# Altium PCB 2-quilter-output.PcbDoc (part 2 of 26)
Units mil, origin at the board's own origin, x right, y up, seen from the top; angles counter-clockwise.
Board outline 4130.55 x 4250 mil, 8 copper layers (L1, Ground L2, L3, Power L4, Ground L5, L6, Ground L7, L8), stack 62.985 mil thick; 591 components, 494 nets, 2245 pads, 1508 vias.
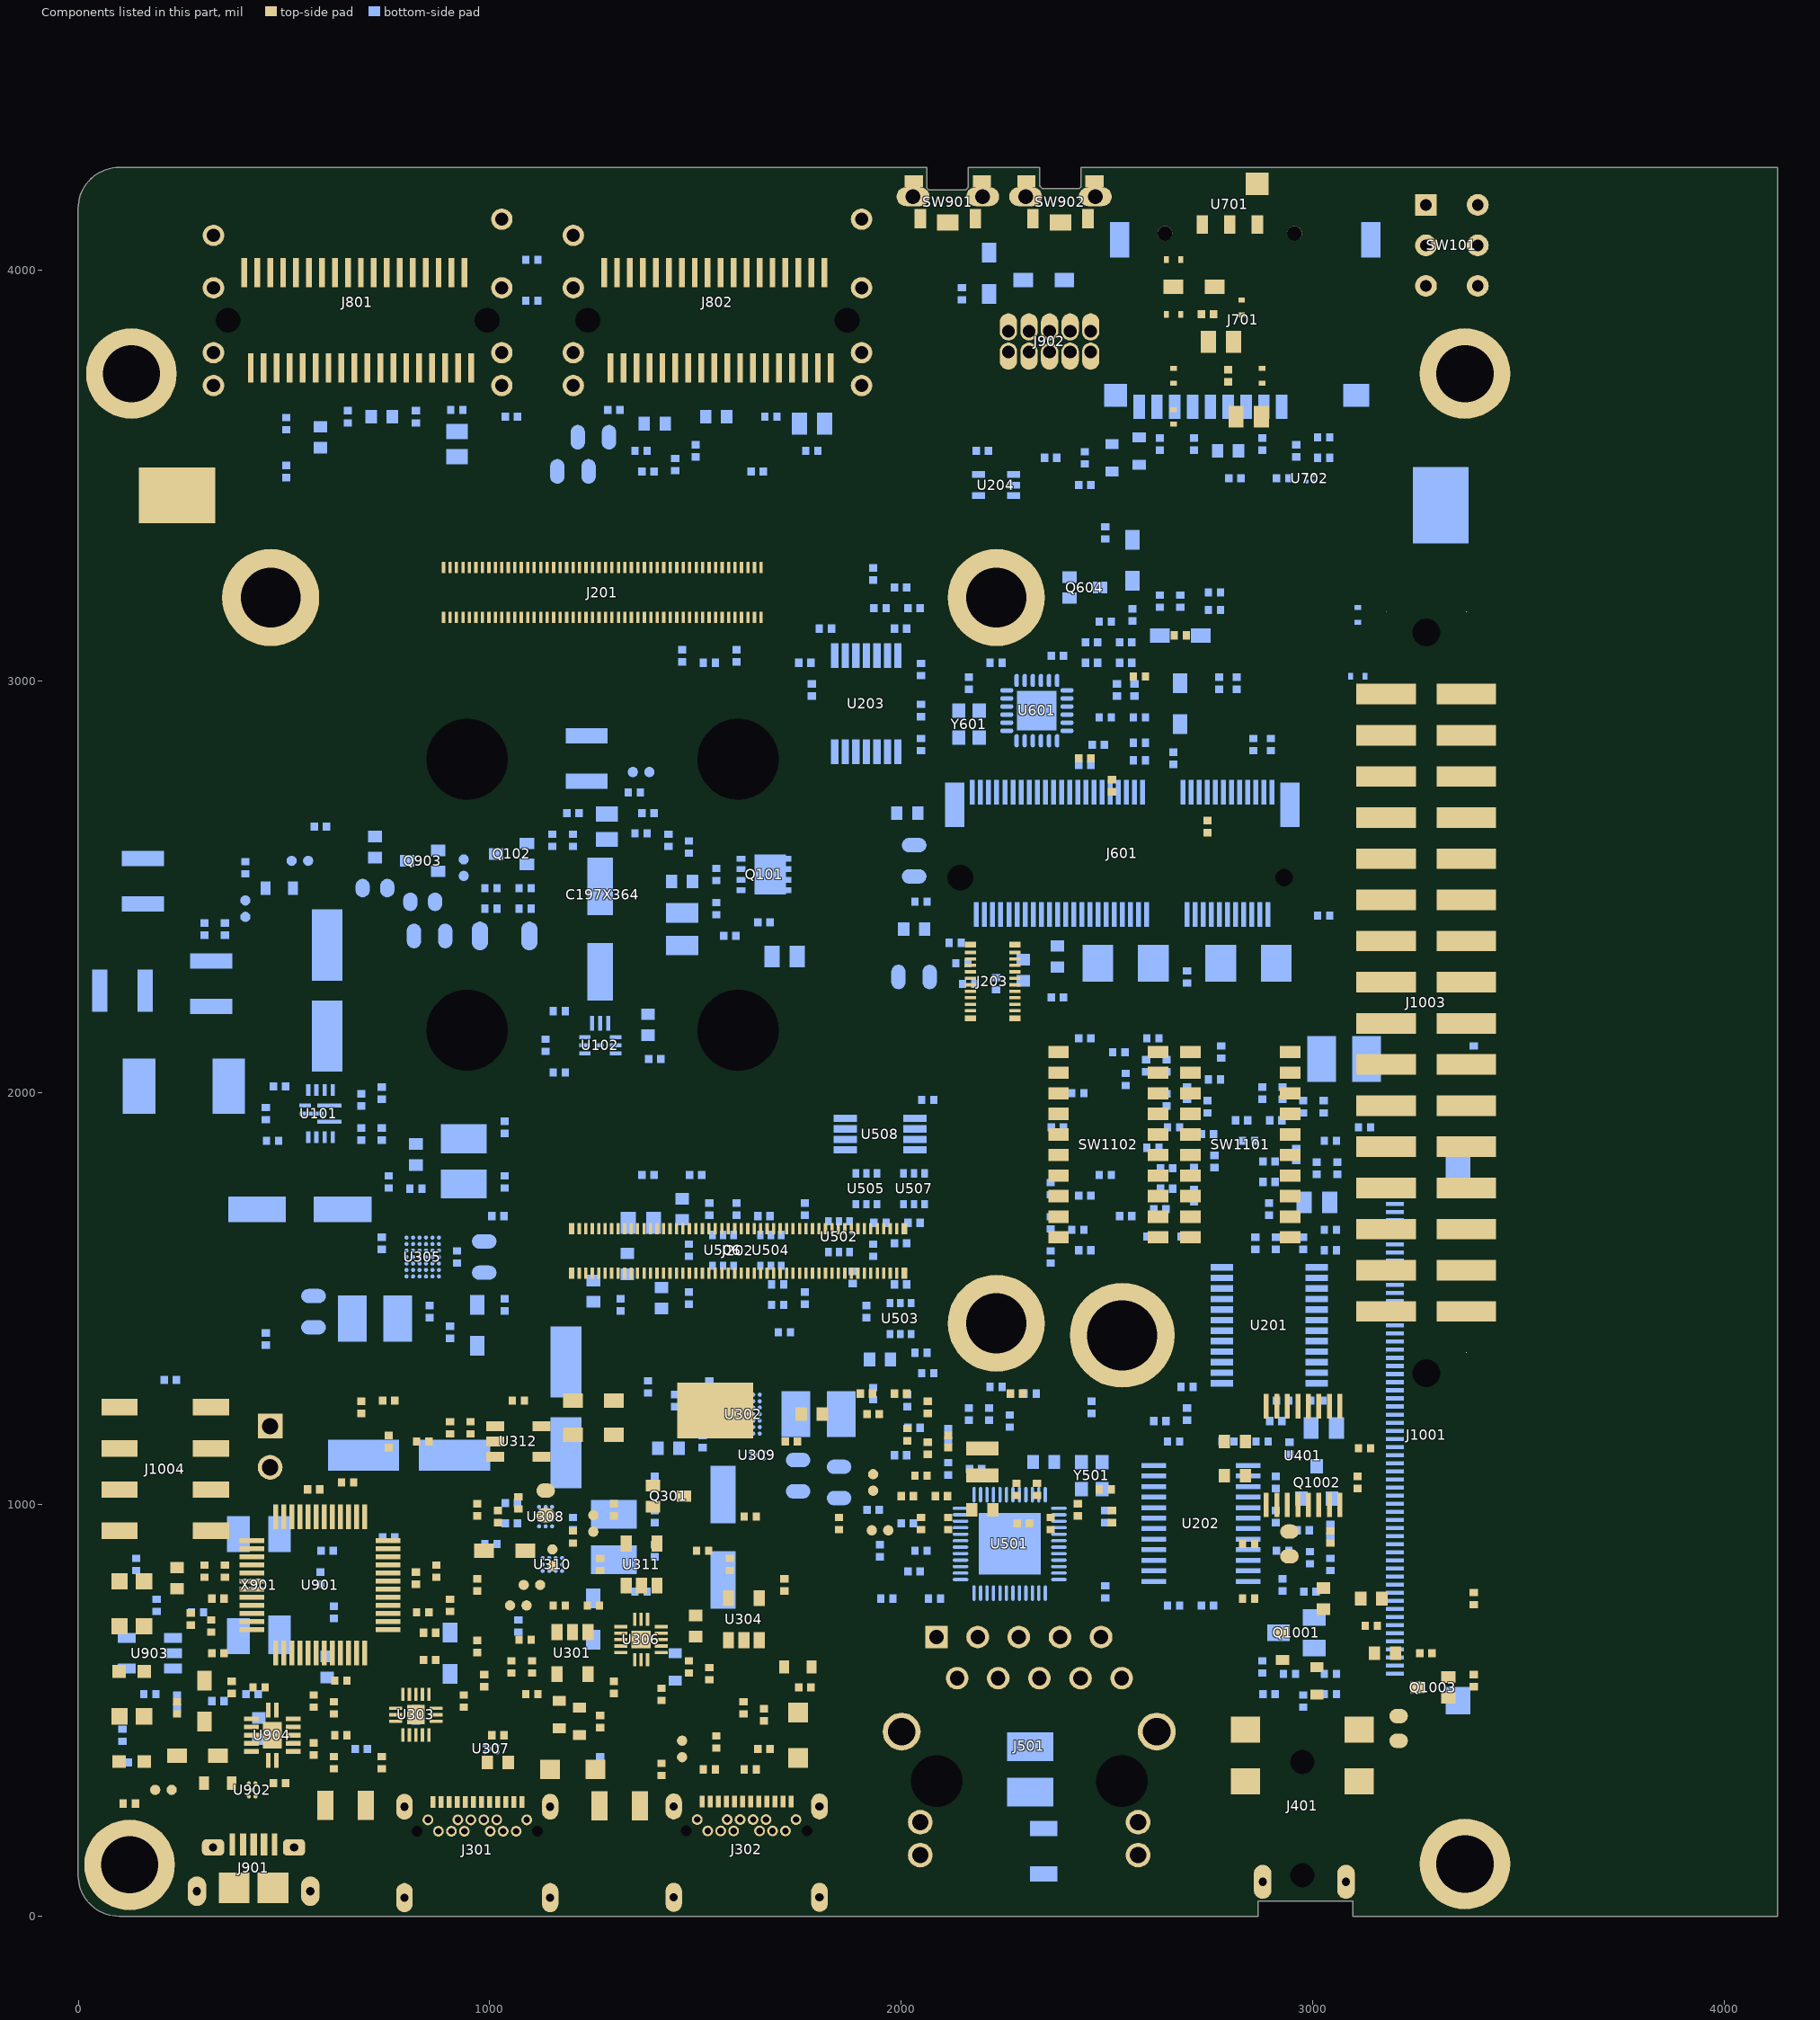
[diagram p8: the components of this part, seen from the top]

## Components (designator, comment, footprint, x,y, rotation, side; value= is the part's Value field where it differs from the comment) (continued)
U702 "ADP191ACBZ-R7" WLCSP4_0P4_0P8X0P8_SMDP 2993.86,3493.42 r0 bottom
U901 "FT2232D" LQFP48 587.9,803.84 r90 top
U902 "PCMF1USB3S" WLCSP5_0P4_0P82X1P22 422.64,305.92 r180 top
U903 "RT9193" SOT23-5 173.81,637.95 r270 bottom
U904 "NTB0104BQ" DHVQFN14_3X2P5MM 471.62,438.73 r90 top
X901 "6MHz" XTAL_4_7P2X5P2 439.23,803.82 r270 bottom
Y501 "25MHz" XTLOSC4_2P5X2MM_SM 2463.43,1069.58 r90 bottom
Y601 "25MHz" XTLOSC4_2P5X2MM_SM 2164.84,2895.75 r90 bottom

## Footprints (in the part's own frame and the unit in brackets; to place one, negate y for a bottom-side part, rotate by r counter-clockwise, add the part's x,y. Pads: shape width x height; smd on the part's side, far side on the other; paste and mask are expansions set on the pad)
0402_CC#1 [mil] "0402_CC"
  rect 18x20 smd: 1(-14.76,0) 2(14.76,0)
  L8 keep-out region: -5.75,10 -5.75,-10 5.75,-10 5.75,10
  L8 keep-out region: -5.75,10 -5.75,-10 5.75,-10 5.75,10
  silkscreen extent -21,-18 21,18, body extent -20,-10 20,10, height 16
0402_CC#2 [mil] "0402_CC"
  rect 18x20 smd: 1(-14.76,0) 2(14.76,0)
  L1 keep-out region: -5.75,10 -5.75,-10 5.75,-10 5.75,10
  L1 keep-out region: -5.75,10 -5.75,-10 5.75,-10 5.75,10
  silkscreen extent -21,-18 21,18, body extent -20,-10 20,10, height 16
0603_CC [mil] "0603_CC"
  rect 28x33 smd: 1(-25.59,0) 2(25.59,0)
  silkscreen extent -40,-25 40,25, body extent -31,-16 31,16, height 22
0805_CC [mil] "0805_CC"
  rect 37x53 smd: 1(-30.71,0) 2(30.71,0)
  silkscreen extent -50,-36 50,36, body extent -39,-24 39,24, height 20
1206_CC [mil] "1206_CC"
  rect 37x67 smd: 1(-55.12,0) 2(55.12,0)
  silkscreen extent -74,-42 74,42, body extent -61,-30 61,30, height 28
1210_CC [mil] "1210_CC"
  rect 37x102 smd: 1(-55.12,0) 2(55.12,0)
  silkscreen extent -74,-60 74,60, body extent -63,-49 63,49, height 24
C197X364 [mil] "C197X364"
  round 0 hole 197 slot 364 at 0 deg unplated: ""(-465.6,-465.6) ""(465.6,-465.6)
  round 0 hole 197 slot 364 at 90 deg unplated: ""(0,-931.2) ""(0,0)
CASE_D_AL [mil] "CASE_D_AL"
  rect 140x62 smd: 1(-104,0) 2(104,0)
  silkscreen extent -141,-141 141,141, body extent -138,-130 138,130, height 213
CC0603_OV [mil] "CC0603_OV"
  oval 35x45 smd: 1(-30,0) 2(30,0)
  L1 keep-out region: -10,20 10,20 10,-20 -10,-20
  silkscreen extent -5,-25 5,25, body extent -31,-16 31,16, height 22
CC1210 [mil] "CC1210"
  rect 70x112 smd: 1(-55,0) 2(55,0)
  silkscreen extent -97,-63 97,63, body extent -63,-49 63,49, height 47
CC3528-21 [mil] "CC3528-21"
  rect 75x90 smd: 1(-67.5,0) 2(67.5,0)
  silkscreen extent -80,-66 80,66, body extent -73,-58 73,58, height 80
CCE8P3X8P3 [mil] "CCE8P3X8P3"
  rect 173x75 smd: 1(-110.5,0) 2(110.5,0)
  silkscreen extent -179,-179 179,179, body extent -195,-163 195,163, height 402
CON6_AUDIOJACK_RA_TH [mil] "CON6_AUDIOJACK_RA_TH"
  oval 83x43 hole 20: 1(0,0) 2(0,202.76)
  rect 63x71 smd: 3(370.08,-31.5) 4(370.08,244.09) 5(244.09,244.09) 6(244.09,-31.5)
  round 10 hole 59 unplated: ""(15.75,106.3) ""(291.34,106.3)
  L8 keep-out region: -19.53,-21.5 -23.89,-21.6 -31.98,-18.38 -38.19,-12.27 -41.53,-4.22 -41.48,4.5 -38.03,12.5 -31.74,18.53 -23.6,21.64 -19.25,21.49 -19.25,21.49 19.29,21.49 23.64,21.63 31.76,18.52 38.03,12.49 41.47,4.5 41.53,-4.2 38.21,-12.24 32.02,-18.35 23.94,-21.58 19.59,-21.5 19.59,-21.5
  L8 keep-out region: -19.53,181.26 -23.8,181.17 -31.77,184.26 -37.95,190.18 -41.4,198 -41.59,206.55 -38.5,214.52 -32.59,220.7 -24.76,224.15 -20.49,224.25 -20.49,224.25 -19.52,224.25 -19.49,224.25 -19.42,224.25 -19.35,224.24 -19.28,224.24 -19.25,224.24 -19.25,224.24 19.29,224.24 23.64,224.38 31.76,221.27 38.03,215.24 41.47,207.25 41.53,198.56 38.2,190.52 32.02,184.4 23.94,181.18 19.59,181.26 19.59,181.26
  L8 keep-out region: 291.34,76.55 299.04,77.56 306.22,80.53 312.38,85.26 317.11,91.42 320.08,98.6 321.09,106.3 320.08,114 317.11,121.18 317.11,121.18 312.38,127.34 306.22,132.07 299.04,135.04 291.34,136.05 283.64,135.04 276.46,132.07 270.3,127.34 265.57,121.18 265.57,121.18 262.6,114 261.58,106.3 262.6,98.6 265.57,91.42 270.3,85.26 276.46,80.53 283.64,77.56 291.34,76.55
  L8 keep-out region: 15.75,76.55 23.45,77.56 30.62,80.53 36.79,85.26 41.52,91.42 44.49,98.6 45.5,106.3 44.49,114 41.52,121.18 41.52,121.18 36.79,127.34 30.62,132.07 23.45,135.04 15.75,136.05 8.05,135.04 0.87,132.07 -5.29,127.34 -10.02,121.18 -10.02,121.18 -12.99,114 -14.01,106.3 -12.99,98.6 -10.02,91.42 -5.29,85.26 0.87,80.53 8.05,77.56 15.75,76.55
  Keep-Out Layer region: 15.75,61.42 27.36,62.95 38.19,67.43 47.49,74.56 54.62,83.86 59.1,94.68 60.63,106.3 59.1,117.92 54.62,128.74 54.62,128.74 47.49,138.04 38.19,145.17 27.36,149.65 15.75,151.18 4.13,149.65 -6.69,145.17 -15.99,138.04 -23.12,128.74 -23.12,128.74 -27.61,117.92 -29.14,106.3 -27.61,94.68 -23.12,83.86 -15.99,74.56 -6.69,67.43 4.13,62.95 15.75,61.42
  Keep-Out Layer region: 291.34,61.42 302.96,62.95 313.78,67.43 323.08,74.56 330.21,83.86 334.69,94.68 336.22,106.3 334.69,117.92 330.21,128.74 330.21,128.74 323.08,138.04 313.78,145.17 302.96,149.65 291.34,151.18 279.72,149.65 268.9,145.17 259.6,138.04 252.47,128.74 252.47,128.74 247.98,117.92 246.46,106.3 247.98,94.68 252.47,83.86 259.6,74.56 268.9,67.43 279.72,62.95 291.34,61.42
  silkscreen extent -178,-33 424,245, body extent -85,-26 417,238, height 150
CON9_SDCARD_1P1MM [mil] "CON9_SDCARD_1P1MM"
  rect 28x59 smd: 1(-88.58,-283.49) 2(-45.28,-283.49) 3(-1.97,-283.49) 4(41.34,-283.49) 5(84.65,-283.49) 6(127.95,-283.49) 7(171.26,-283.49) 8(214.57,-283.49) 9(257.87,-283.49)
  rect 55x55 smd: 10(314.96,-255.93)
  rect 47x87 smd: 11(305.12,122.03) 12(-305.12,122.03)
  rect 63x55 smd: 13(-269.68,-255.93)
  round 36 hole 36 unplated: ""(-120.08,137.79) ""(194.88,137.79)
  L1 keep-out region: -250,137.1 -250,388.64 -198.5,388.64 -198.5,34.64 -223.92,34.64 -226.38,37.1 -226.38,113.48 -231.38,118.48
  L1 keep-out region: -166.5,5.64 -166.5,-194.36 -259,-194.36 -259,5.64
  L1 keep-out region: -119,-227.29 -119,50.64 271.65,50.64 271.65,-228.37 -120.08,-228.37
  silkscreen extent -292,-276 290,563, body extent -315,-304 319,368, height 77
CON20_0P4_5P7X2P05_SM [mil] "CON20_0P4_5P7X2P05_SM"
  rect 8x27 smd: 1(70.87,-53.85) 2(70.87,53.85) 3(55.12,-53.85) 4(55.12,53.85) 5(39.37,-53.85) 6(39.37,53.85) 7(23.62,-53.85) 8(23.62,53.85) 9(7.87,-53.85) 10(7.87,53.85) 11(-7.87,-53.85) 12(-7.87,53.85) 13(-23.62,-53.85) 14(-23.62,53.85) 15(-39.37,-53.85) 16(-39.37,53.85) 17(-55.12,-53.85) 18(-55.12,53.85) 19(-70.87,-53.85) 20(-70.87,53.85)
  rect 14x27 smd: ""(-89.57,53.85) ""(-89.57,-53.85) ""(89.57,53.85) ""(89.57,-53.85)
  silkscreen extent -120,-47 120,47, body extent -109,-57 109,60, height 45
CON24_USB_TYPEC_RA_SMT_TH [mil] "CON24_USB_TYPEC_RA_SMT_TH"
  rect 12x28 smd: A1(-228.35,43.7) A2(-208.66,43.7) A3(-188.98,43.7) A4(-169.29,43.7) A5(-149.61,43.7) A6(-129.92,43.7) A7(-110.24,43.7) A8(-90.55,43.7) A9(-70.87,43.7) A10(-51.18,43.7) A11(-31.5,43.7) A12(-11.81,43.7)
  round 26 hole 16: B1(0,0) B2(-25.59,-27.56) B3(-57.09,-27.56) B4(-72.83,0) B5(-88.58,-27.56) B6(-104.33,0) B7(-135.83,0) B8(-151.57,-27.56) B9(-167.32,0) B10(-183.07,-27.56) B11(-214.57,-27.56) B12(-240.16,0)
  oval 40x63 hole 20: SH1(-297.24,31.89) SH2(57.09,31.89)
  oval 40x71 hole 20: SH3(-297.24,-188.98) SH4(57.09,-188.98)
  round 10 hole 26 unplated: ""(-266.73,-27.56) ""(26.57,-27.56)
  silkscreen extent -328,-269 88,74, body extent -313,-335 73,60, height 139
CON100_0P4_21P7X2P05_SM [mil] "CON100_0P4_21P7X2P05_SM"
  rect 8x27 smd: 1(385.83,-53.85) 2(385.83,53.85) 3(370.08,-53.85) 4(370.08,53.85) 5(354.33,-53.85) 6(354.33,53.85) 7(338.58,-53.85) 8(338.58,53.85) 9(322.83,-53.85) 10(322.83,53.85) 11(307.09,-53.85) 12(307.09,53.85) 13(291.34,-53.85) 14(291.34,53.85) 15(275.59,-53.85) 16(275.59,53.85) 17(259.84,-53.85) 18(259.84,53.85) 19(244.09,-53.85) 20(244.09,53.85) 21(228.35,-53.85) 22(228.35,53.85) 23(212.6,-53.85) 24(212.6,53.85) 25(196.85,-53.85) 26(196.85,53.85) 27(181.1,-53.85) 28(181.1,53.85) 29(165.35,-53.85) 30(165.35,53.85) 31(149.61,-53.85) 32(149.61,53.85) 33(133.86,-53.85) 34(133.86,53.85) 35(118.11,-53.85) 36(118.11,53.85) 37(102.36,-53.85) 38(102.36,53.85) 39(86.61,-53.85) 40(86.61,53.85) 41(70.87,-53.85) 42(70.87,53.85) 43(55.12,-53.85) 44(55.12,53.85) 45(39.37,-53.85) 46(39.37,53.85) 47(23.62,-53.85) 48(23.62,53.85) 49(7.87,-53.85) 50(7.87,53.85) 51(-7.87,-53.85) 52(-7.87,53.85) 53(-23.62,-53.85) 54(-23.62,53.85) 55(-39.37,-53.85) 56(-39.37,53.85) 57(-55.12,-53.85) 58(-55.12,53.85) 59(-70.87,-53.85) 60(-70.87,53.85) 61(-86.61,-53.85) 62(-86.61,53.85) 63(-102.36,-53.85) 64(-102.36,53.85) 65(-118.11,-53.85) 66(-118.11,53.85) 67(-133.86,-53.85) 68(-133.86,53.85) 69(-149.61,-53.85) 70(-149.61,53.85) 71(-165.35,-53.85) 72(-165.35,53.85) 73(-181.1,-53.85) 74(-181.1,53.85) 75(-196.85,-53.85) 76(-196.85,53.85) 77(-212.6,-53.85) 78(-212.6,53.85) 79(-228.35,-53.85) 80(-228.35,53.85) 81(-244.09,-53.85) 82(-244.09,53.85) 83(-259.84,-53.85) 84(-259.84,53.85) 85(-275.59,-53.85) 86(-275.59,53.85) 87(-291.34,-53.85) 88(-291.34,53.85) 89(-307.09,-53.85) 90(-307.09,53.85) 91(-322.83,-53.85) 92(-322.83,53.85) 93(-338.58,-53.85) 94(-338.58,53.85) 95(-354.33,-53.85) 96(-354.33,53.85) 97(-370.08,-53.85) 98(-370.08,53.85) 99(-385.83,-53.85) 100(-385.83,53.85)
  rect 14x27 smd: ""(-404.53,-53.85) ""(-404.53,53.85) ""(404.53,-53.85) ""(404.53,53.85)
  silkscreen extent -435,-47 435,47, body extent -424,-58 424,58, height 45
CON100_0P4_22P8X3P1_SM [mil] "CON100_0P4_22P8X3P1_SM"
  rect 8x28 smd: 1(-385.83,-60.63) 2(-385.83,60.63) 3(-370.08,-60.63) 4(-370.08,60.63) 5(-354.33,-60.63) 6(-354.33,60.63) 7(-338.58,-60.63) 8(-338.58,60.63) 9(-322.83,-60.63) 10(-322.83,60.63) 11(-307.09,-60.63) 12(-307.09,60.63) 13(-291.34,-60.63) 14(-291.34,60.63) 15(-275.59,-60.63) 16(-275.59,60.63) 17(-259.84,-60.63) 18(-259.84,60.63) 19(-244.09,-60.63) 20(-244.09,60.63) 21(-228.35,-60.63) 22(-228.35,60.63) 23(-212.6,-60.63) 24(-212.6,60.63) 25(-196.85,-60.63) 26(-196.85,60.63) 27(-181.1,-60.63) 28(-181.1,60.63) 29(-165.35,-60.63) 30(-165.35,60.63) 31(-149.61,-60.63) 32(-149.61,60.63) 33(-133.86,-60.63) 34(-133.86,60.63) 35(-118.11,-60.63) 36(-118.11,60.63) 37(-102.36,-60.63) 38(-102.36,60.63) 39(-86.61,-60.63) 40(-86.61,60.63) 41(-70.87,-60.63) 42(-70.87,60.63) 43(-55.12,-60.63) 44(-55.12,60.63) 45(-39.37,-60.63) 46(-39.37,60.63) 47(-23.62,-60.63) 48(-23.62,60.63) 49(-7.87,-60.63) 50(-7.87,60.63) 51(7.87,-60.63) 52(7.87,60.63) 53(23.62,-60.63) 54(23.62,60.63) 55(39.37,-60.63) 56(39.37,60.63) 57(55.12,-60.63) 58(55.12,60.63) 59(70.87,-60.63) 60(70.87,60.63) 61(86.61,-60.63) 62(86.61,60.63) 63(102.36,-60.63) 64(102.36,60.63) 65(118.11,-60.63) 66(118.11,60.63) 67(133.86,-60.63) 68(133.86,60.63) 69(149.61,-60.63) 70(149.61,60.63) 71(165.35,-60.63) 72(165.35,60.63) 73(181.1,-60.63) 74(181.1,60.63) 75(196.85,-60.63) 76(196.85,60.63) 77(212.6,-60.63) 78(212.6,60.63) 79(228.35,-60.63) 80(228.35,60.63) 81(244.09,-60.63) 82(244.09,60.63) 83(259.84,-60.63) 84(259.84,60.63) 85(275.59,-60.63) 86(275.59,60.63) 87(291.34,-60.63) 88(291.34,60.63) 89(307.09,-60.63) 90(307.09,60.63) 91(322.83,-60.63) 92(322.83,60.63) 93(338.58,-60.63) 94(338.58,60.63) 95(354.33,-60.63) 96(354.33,60.63) 97(370.08,-60.63) 98(370.08,60.63) 99(385.83,-60.63) 100(385.83,60.63)
  L1 keep-out region: -342.58,-29.53 -342.58,-46.63 -334.58,-46.63 -334.58,-29.53
  L1 keep-out region: -326.83,-29.53 -326.83,-46.63 -318.83,-46.63 -318.83,-29.53
  L1 keep-out region: -358.33,-29.53 -358.33,-46.63 -350.33,-46.63 -350.33,-29.53
  L1 keep-out region: -389.83,-29.53 -389.83,-46.63 -381.83,-46.63 -381.83,-29.53
  L1 keep-out region: -374.08,-29.53 -374.08,-46.63 -366.08,-46.63 -366.08,-29.53
  L1 keep-out region: 381.83,46.63 381.83,29.53 389.83,29.53 389.83,46.63
  L1 keep-out region: 366.08,46.63 366.08,29.53 374.08,29.53 374.08,46.63
  L1 keep-out region: 350.33,46.63 350.33,29.53 358.33,29.53 358.33,46.63
  L1 keep-out region: 318.83,46.63 318.83,29.53 326.83,29.53 326.83,46.63
  L1 keep-out region: 334.58,46.63 334.58,29.53 342.58,29.53 342.58,46.63
  L1 keep-out region: -326.83,46.63 -326.83,29.53 -318.83,29.53 -318.83,46.63
  L1 keep-out region: -342.58,46.63 -342.58,29.53 -334.58,29.53 -334.58,46.63
  L1 keep-out region: -358.33,46.63 -358.33,29.53 -350.33,29.53 -350.33,46.63
  L1 keep-out region: -389.83,46.63 -389.83,29.53 -381.83,29.53 -381.83,46.63
  L1 keep-out region: -374.08,46.63 -374.08,29.53 -366.08,29.53 -366.08,46.63
  L1 keep-out region: 303.09,46.63 303.09,29.53 311.09,29.53 311.09,46.63
  L1 keep-out region: 287.34,46.63 287.34,29.53 295.34,29.53 295.34,46.63
  L1 keep-out region: 271.59,46.63 271.59,29.53 279.59,29.53 279.59,46.63
  L1 keep-out region: 255.84,46.63 255.84,29.53 263.84,29.53 263.84,46.63
  L1 keep-out region: 240.09,46.63 240.09,29.53 248.09,29.53 248.09,46.63
  L1 keep-out region: -137.86,46.63 -137.86,29.53 -129.86,29.53 -129.86,46.63
  L1 keep-out region: -153.61,46.63 -153.61,29.53 -145.61,29.53 -145.61,46.63
  L1 keep-out region: -169.35,46.63 -169.35,29.53 -161.35,29.53 -161.35,46.63
  L1 keep-out region: -200.85,46.63 -200.85,29.53 -192.85,29.53 -192.85,46.63
  L1 keep-out region: -185.1,46.63 -185.1,29.53 -177.1,29.53 -177.1,46.63
  L1 keep-out region: -216.6,46.63 -216.6,29.53 -208.6,29.53 -208.6,46.63
  L1 keep-out region: -232.35,46.63 -232.35,29.53 -224.35,29.53 -224.35,46.63
  L1 keep-out region: -263.84,46.63 -263.84,29.53 -255.84,29.53 -255.84,46.63
  L1 keep-out region: -248.09,46.63 -248.09,29.53 -240.09,29.53 -240.09,46.63
  L1 keep-out region: -263.84,-29.53 -263.84,-46.63 -255.84,-46.63 -255.84,-29.53
  L1 keep-out region: -279.59,46.63 -279.59,29.53 -271.59,29.53 -271.59,46.63
  L1 keep-out region: -279.59,-29.53 -279.59,-46.63 -271.59,-46.63 -271.59,-29.53
  L1 keep-out region: -295.34,46.63 -295.34,29.53 -287.34,29.53 -287.34,46.63
  L1 keep-out region: -295.34,-29.53 -295.34,-46.63 -287.34,-46.63 -287.34,-29.53
  L1 keep-out region: -311.09,46.63 -311.09,29.53 -303.09,29.53 -303.09,46.63
  L1 keep-out region: -311.09,-29.53 -311.09,-46.63 -303.09,-46.63 -303.09,-29.53
  L1 keep-out region: 224.35,46.63 224.35,29.53 232.35,29.53 232.35,46.63
  L1 keep-out region: 208.6,46.63 208.6,29.53 216.6,29.53 216.6,46.63
  L1 keep-out region: 192.85,46.63 192.85,29.53 200.85,29.53 200.85,46.63
  L1 keep-out region: 161.35,46.63 161.35,29.53 169.35,29.53 169.35,46.63
  L1 keep-out region: 177.1,46.63 177.1,29.53 185.1,29.53 185.1,46.63
  L1 keep-out region: 145.61,46.63 145.61,29.53 153.61,29.53 153.61,46.63
  L1 keep-out region: 129.86,46.63 129.86,29.53 137.86,29.53 137.86,46.63
  L1 keep-out region: 98.36,46.63 98.36,29.53 106.36,29.53 106.36,46.63
  L1 keep-out region: 114.11,46.63 114.11,29.53 122.11,29.53 122.11,46.63
  L1 keep-out region: 82.61,46.63 82.61,29.53 90.61,29.53 90.61,46.63
  L1 keep-out region: 66.87,46.63 66.87,29.53 74.87,29.53 74.87,46.63
  L1 keep-out region: 51.12,46.63 51.12,29.53 59.12,29.53 59.12,46.63
  L1 keep-out region: 35.37,46.63 35.37,29.53 43.37,29.53 43.37,46.63
  L1 keep-out region: 19.62,46.63 19.62,29.53 27.62,29.53 27.62,46.63
  L1 keep-out region: 3.87,46.63 3.87,29.53 11.87,29.53 11.87,46.63
  L1 keep-out region: -11.87,46.63 -11.87,29.53 -3.87,29.53 -3.87,46.63
  L1 keep-out region: -27.62,46.63 -27.62,29.53 -19.62,29.53 -19.62,46.63
  L1 keep-out region: -43.37,46.63 -43.37,29.53 -35.37,29.53 -35.37,46.63
  L1 keep-out region: -59.12,46.63 -59.12,29.53 -51.12,29.53 -51.12,46.63
  L1 keep-out region: -74.87,46.63 -74.87,29.53 -66.87,29.53 -66.87,46.63
  L1 keep-out region: -90.61,46.63 -90.61,29.53 -82.61,29.53 -82.61,46.63
  L1 keep-out region: -106.36,46.63 -106.36,29.53 -98.36,29.53 -98.36,46.63
  L1 keep-out region: -122.11,46.63 -122.11,29.53 -114.11,29.53 -114.11,46.63
  silkscreen extent -456,-69 456,69, body extent -445,-67 445,67, height 58
CON_2RH_10_50 [mil] "CON_2RH_10_50"
  oval 42x66 hole 31 copper offset 0,-10.5: 1(0,0) 3(50,0) 5(100,0) 7(150,0) 9(200,0)
  oval 42x66 hole 31 copper offset 0,10.5: 2(0,50) 4(50,50) 6(100,50) 8(150,50) 10(200,50)
  silkscreen extent -55,-55 255,105, body extent -50,-50 250,100, height 228
CON_2X4_SKT_100_SM [mil] "CON_2X4_SKT_100_SM"
  rect 88x40 smd: 1(111.25,150) 2(-111.25,150) 3(111.25,50) 4(-111.25,50) 5(111.25,-50) 6(-111.25,-50) 7(111.25,-150) 8(-111.25,-150)
  silkscreen extent -107,-212 107,212, body extent -104,-200 104,200, height 236
CON_36_0P8_TH [mil] "CON_36_0P8_TH"
  rect 14x71 smd: A1(-259.84,-116.14) A2(-228.35,-116.14) A3(-196.85,-116.14) A4(-165.35,-116.14) A5(-133.86,-116.14) A6(-102.36,-116.14) A7(-70.87,-116.14) A8(-39.37,-116.14) A9(-7.87,-116.14) A10(23.62,-116.14) A11(55.12,-116.14) A12(86.61,-116.14) A13(118.11,-116.14) A14(149.61,-116.14) A15(181.1,-116.14) A16(212.6,-116.14) A17(244.09,-116.14) A18(275.59,-116.14) B1(-275.59,116.14) B2(-244.09,116.14) B3(-212.6,116.14) B4(-181.1,116.14) B5(-149.61,116.14) B6(-118.11,116.14) B7(-86.61,116.14) B8(-55.12,116.14) B9(-23.62,116.14) B10(7.87,116.14) B11(39.37,116.14) B12(70.87,116.14) B13(102.36,116.14) B14(133.86,116.14) B15(165.35,116.14) B16(196.85,116.14) B17(228.35,116.14) B18(259.84,116.14)
  round 52 hole 32: T1(-350.39,-158.66) T2(-350.39,-78.74) T3(-350.39,78.74) T4(-350.39,206.3) T5(350.39,-158.66) T6(350.39,-78.74) T7(350.39,78.74) T8(350.39,245.67)
  round 10 hole 61 unplated: ""(-314.96,0) ""(314.96,0)
  L1 keep-out region: 362.8,-212.57 362.8,309.65 337.99,309.65 337.99,-212.57
  L1 keep-out region: -337.99,-212.57 -337.99,309.82 -362.8,309.82 -362.8,-212.57
  L8 keep-out region: -324.18,206.3 -325.07,213.08 -327.69,219.41 -331.85,224.84 -337.28,229 -343.61,231.62 -350.39,232.52 -357.18,231.62 -363.5,229 -363.5,229 -368.93,224.84 -373.1,219.41 -375.72,213.08 -376.61,206.3 -375.72,199.51 -373.1,193.19 -368.93,187.76 -363.5,183.59 -363.5,183.59 -357.18,180.97 -350.39,180.08 -343.61,180.97 -337.28,183.59 -331.85,187.76 -327.69,193.19 -325.07,199.51 -324.18,206.3
  L8 keep-out region: -324.18,78.74 -325.07,85.53 -327.69,91.85 -331.85,97.28 -337.28,101.45 -343.61,104.06 -350.39,104.96 -357.18,104.06 -363.5,101.45 -363.5,101.45 -368.93,97.28 -373.1,91.85 -375.72,85.53 -376.61,78.74 -375.72,71.95 -373.1,65.63 -368.93,60.2 -363.5,56.03 -363.5,56.03 -357.18,53.42 -350.39,52.52 -343.61,53.42 -337.28,56.03 -331.85,60.2 -327.69,65.63 -325.07,71.95 -324.18,78.74
  L8 keep-out region: -324.18,-78.74 -325.07,-71.95 -327.69,-65.63 -331.85,-60.2 -337.28,-56.03 -343.61,-53.42 -350.39,-52.52 -357.18,-53.42 -363.5,-56.03 -363.5,-56.03 -368.93,-60.2 -373.1,-65.63 -375.72,-71.95 -376.61,-78.74 -375.72,-85.53 -373.1,-91.85 -368.93,-97.28 -363.5,-101.45 -363.5,-101.45 -357.18,-104.06 -350.39,-104.96 -343.61,-104.06 -337.28,-101.45 -331.85,-97.28 -327.69,-91.85 -325.07,-85.53 -324.18,-78.74